# Altium PCB PCB.PcbDoc
Units mil, origin at the board's own origin, x right, y up, seen from the top; angles counter-clockwise.
Board outline 2755.91 x 2755.91 mil, 2 copper layers (Top Layer, Bottom Layer); 94 components, 90 nets, 395 pads, 112 vias.
Unrouted connection lines stored in the file: 2.
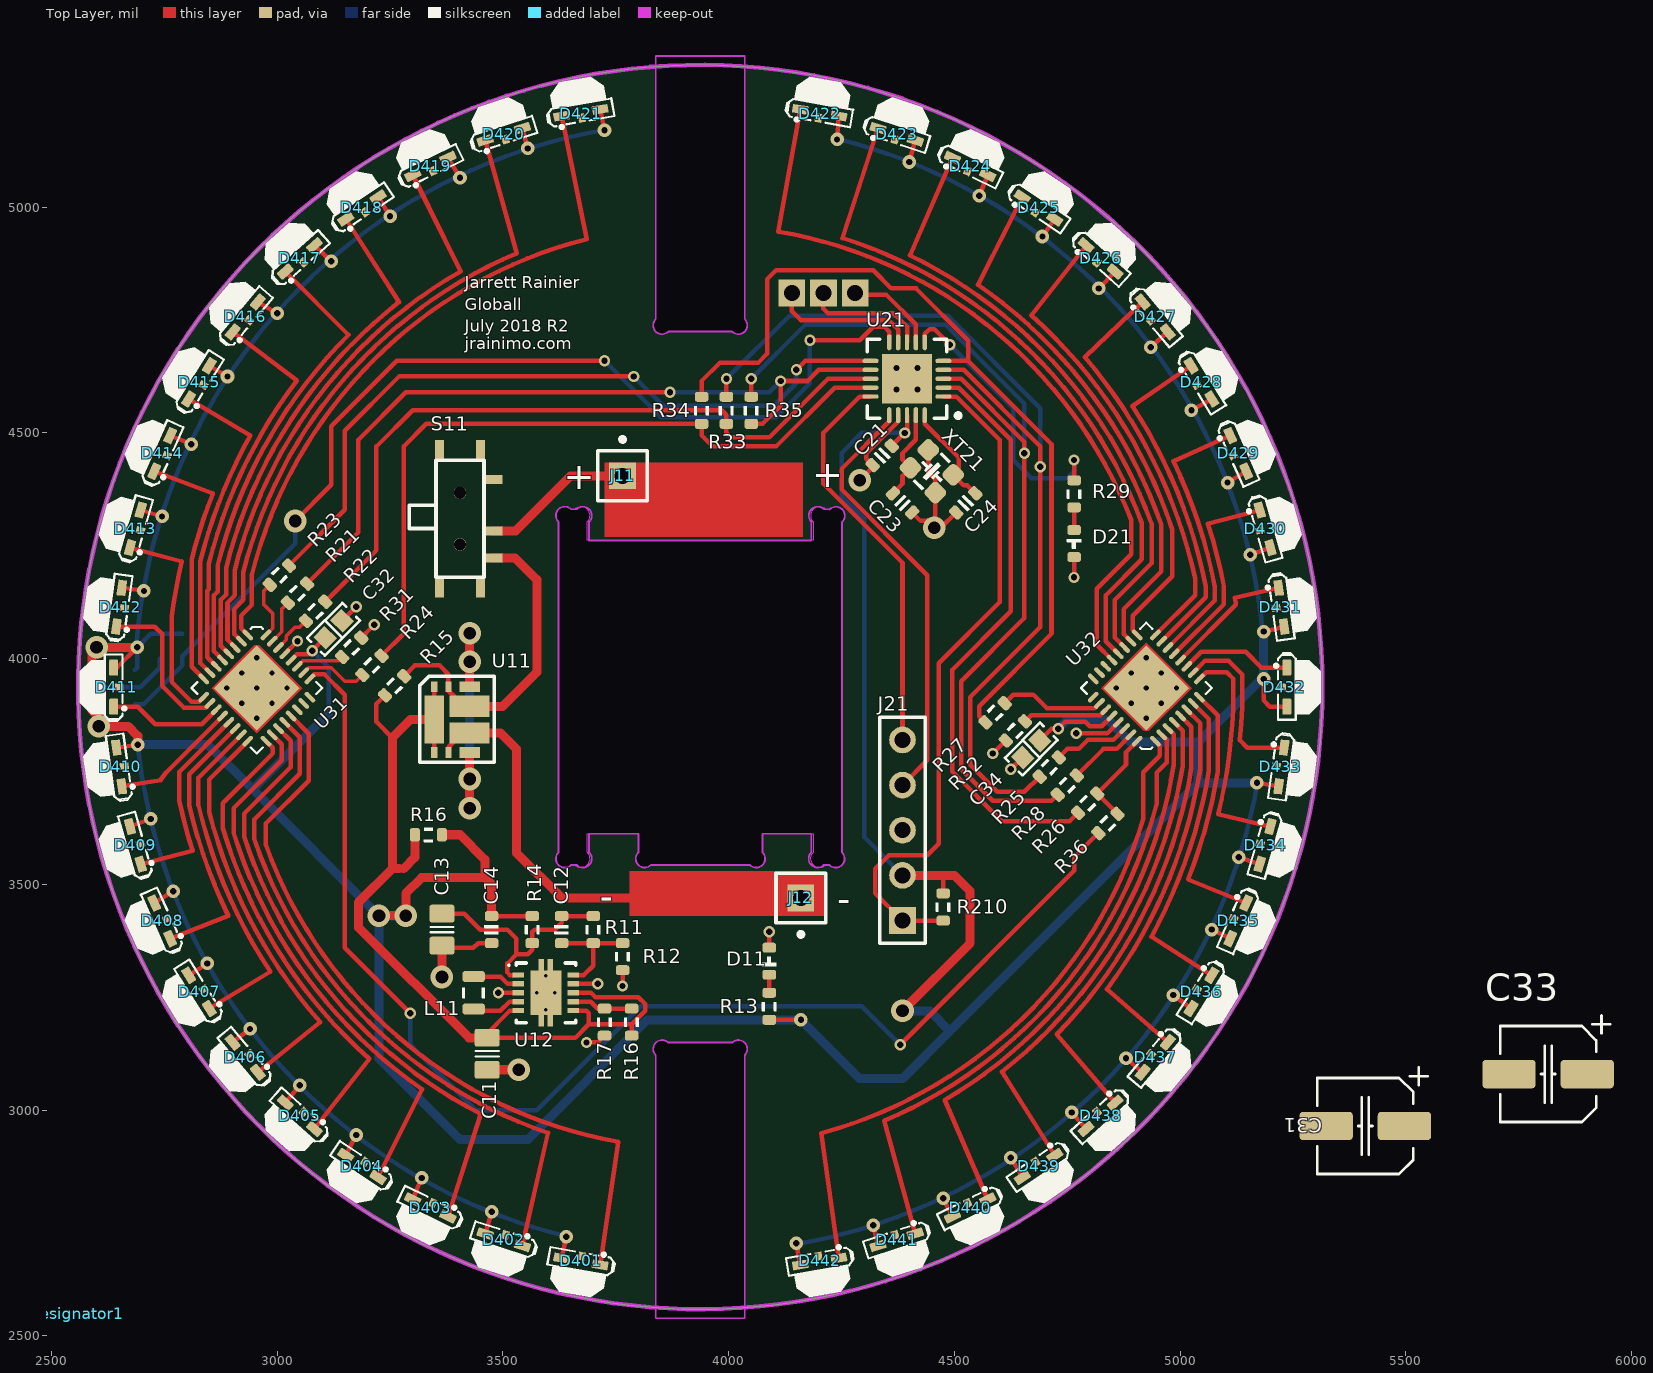
[diagram p0: Top Layer view]
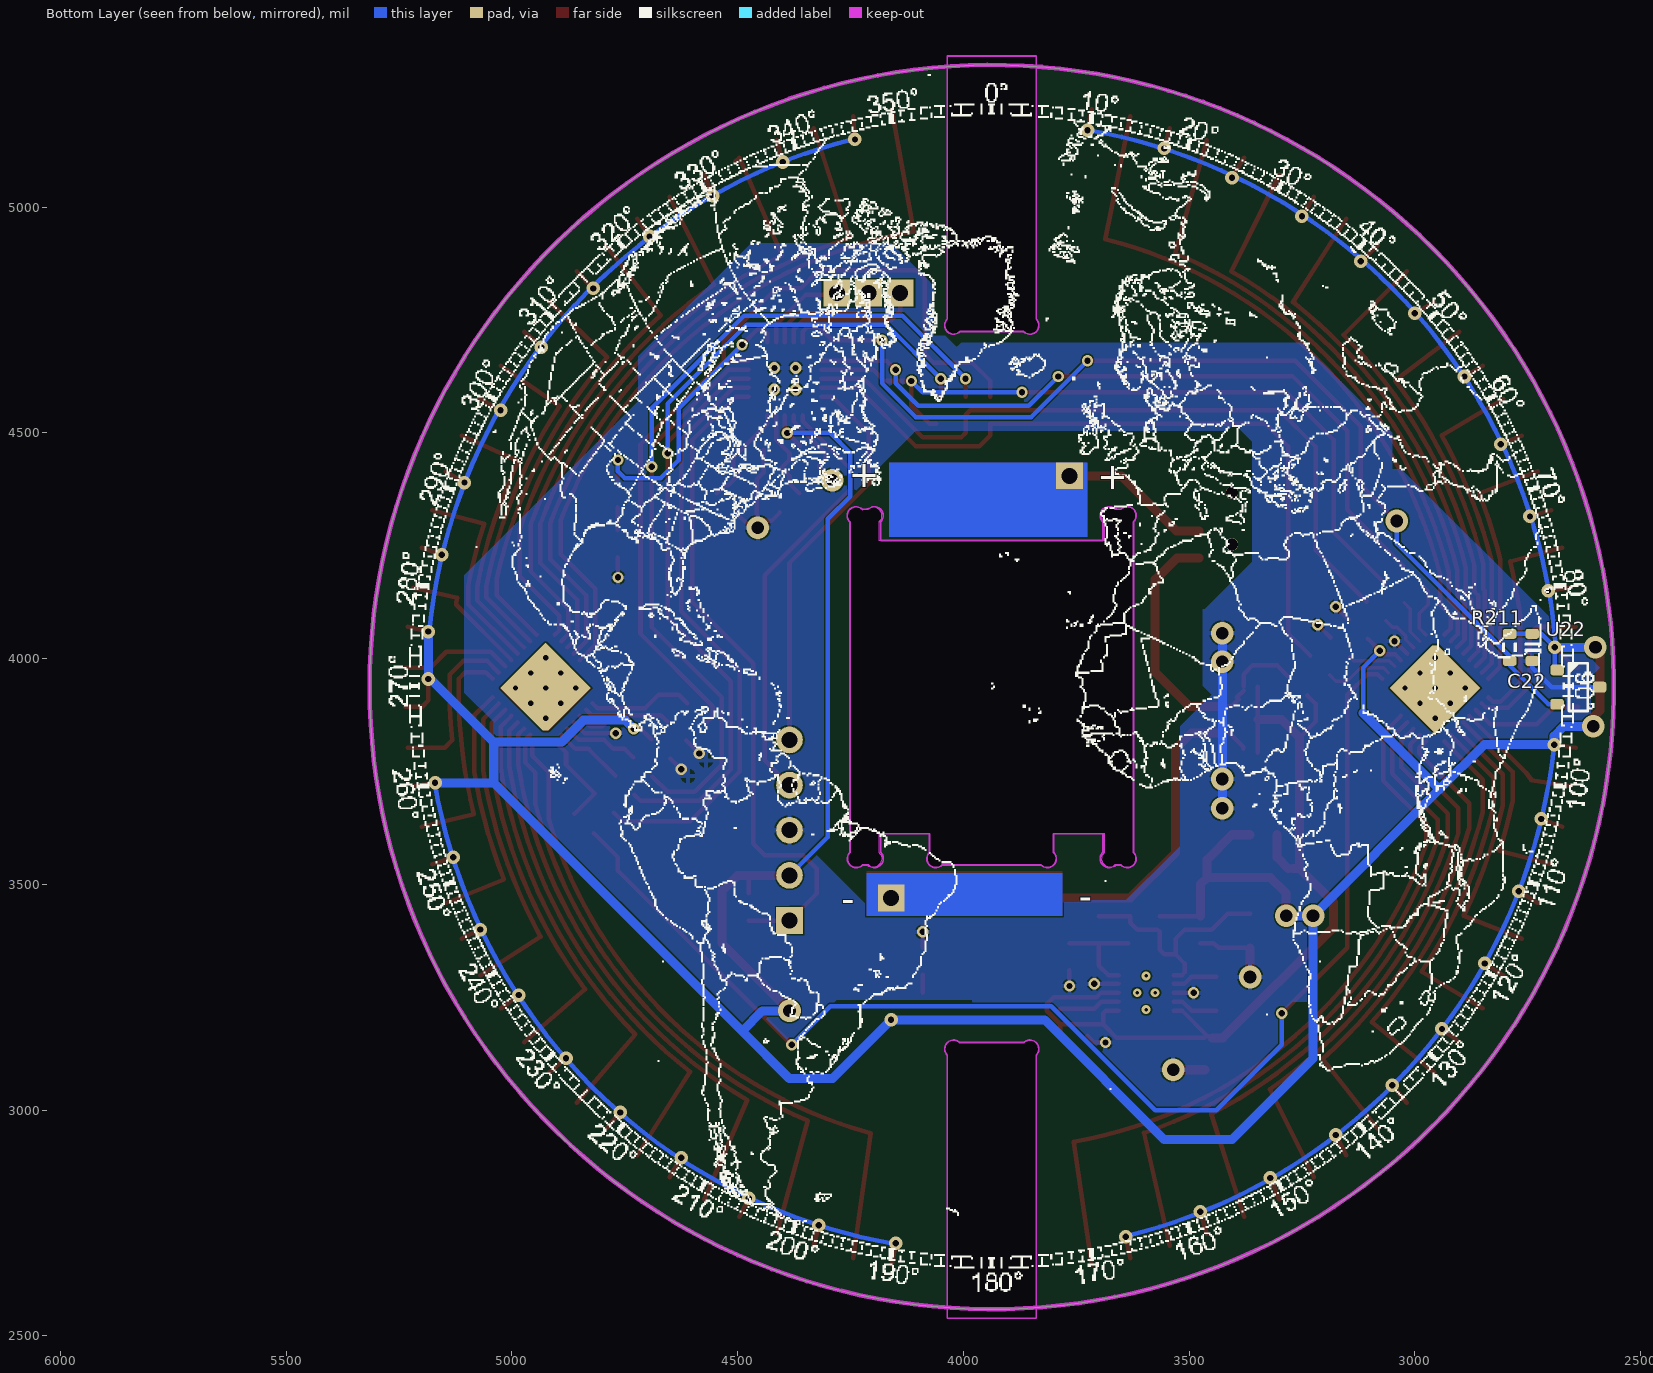
[diagram p1: Bottom Layer view, seen from below]
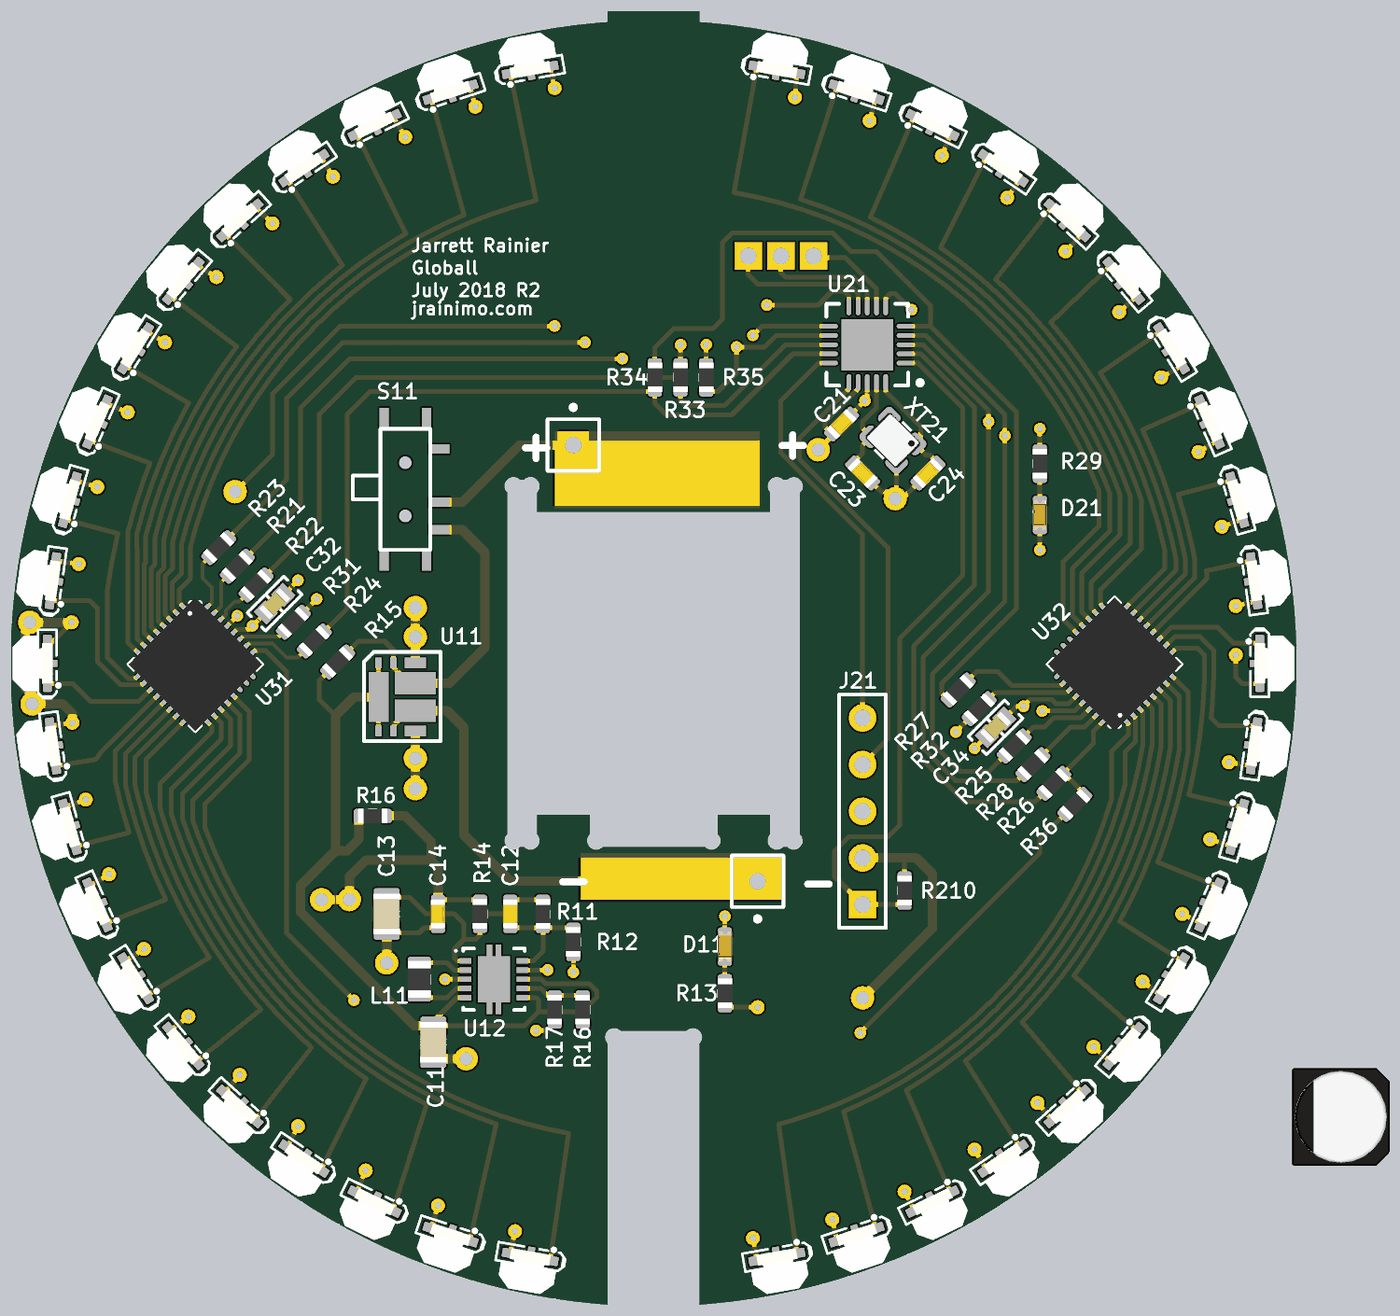
[diagram p2: 3D render of the assembled board from above, using the file's embedded part models]
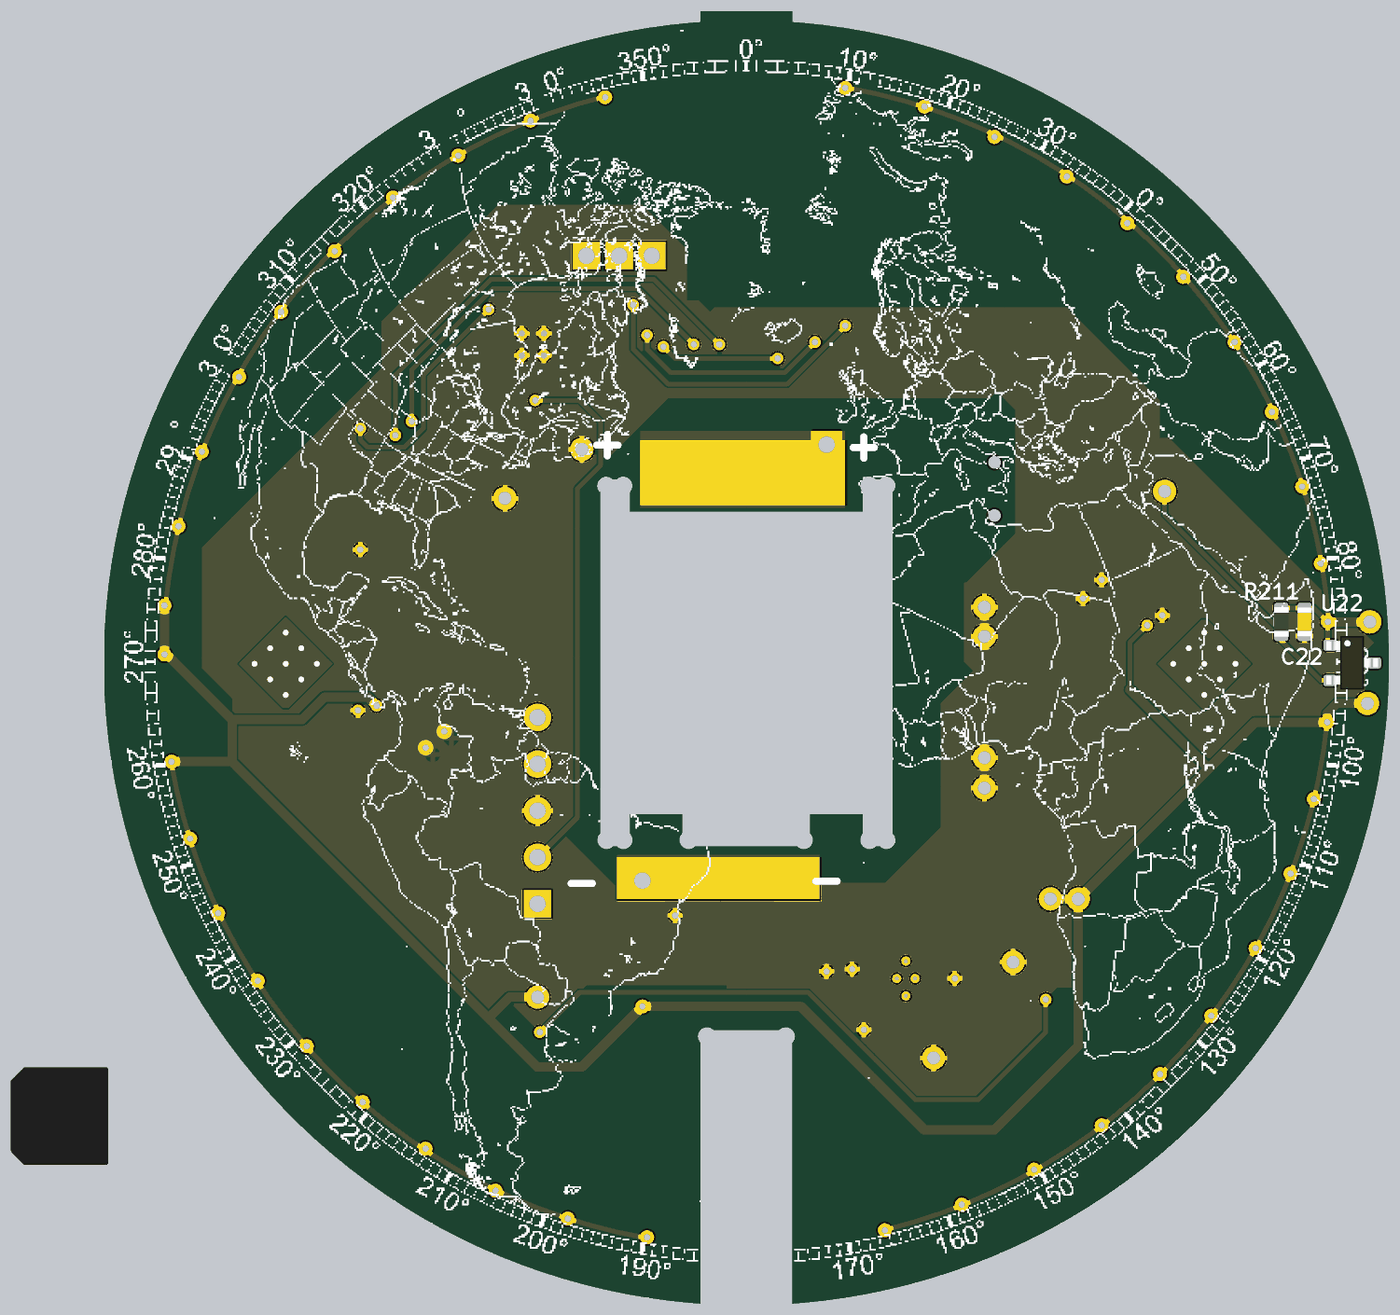
[diagram p3: 3D render of the assembled board from below, using the file's embedded part models]

## Layer stack, top to bottom
Top Layer: signal copper 1.4
Dielectric: dielectric 12.6, FR-4, Dk 4.8
Bottom Layer: signal copper 1.4

## Board outline
3937.01,2559.06 cw(c3937.01,3937.01) 2559.06,3937.01 cw(c3937.01,3937.01) 3937.01,5314.96 cw(c3937.01,3937.01) 5314.96,3937.01 cw(c3937.01,3937.01)
cut-out: 3650.87,3543.31 3659.35,3543.31 3659.35,3543.13 ccw(c3673.27,3557.05) 3687.19,3570.97 3687.01,3570.97 3687.01,3612.2 3800,3612.2 3800,3570.97 ccw(c3813.92,3557.05) 3827.84,3543.13 3827.84,3543.31 4047.16,3543.31 4047.16,3543.13 ccw(c4061.08,3557.05) 4075,3570.97 4075,3612.2 4187.01,3612.2 4187.01,3570.97 4186.83,3570.97 ccw(c4200.75,3557.05) 4214.67,3543.13 4214.67,3543.31 4223.15,3543.31 4223.15,3543.13 ccw(c4237.06,3557.05) 4250.98,3570.97 4250.98,4303.17 4251.4,4302.75 ccw(c4237.48,4316.67) 4223.56,4330.59 4223.44,4330.71 4215,4330.71 ccw(c4201.08,4316.79) 4187.16,4302.87 4187.01,4302.72 4187.01,4261.81 3687.01,4261.81 3687.01,4303.03 3687.15,4303.03 ccw(c3673.23,4316.95) 3659.32,4330.87 3650.87,4330.87 ccw(c3636.95,4316.95) 3623.03,4303.03 3623.03,3570.97 ccw(c3636.95,3557.05)
cut-out: 3838.58,2539.37 4035.43,2539.37 4035.43,3121.75 4035.42,3121.75 ccw(c4021.5,3135.67) 4007.58,3149.59 4007.6,3149.61 3866.42,3149.61 3866.44,3149.6 ccw(c3852.52,3135.68) 3838.6,3121.77 3838.58,3121.77
cut-out: 3866.44,4724.41 cw(c3852.52,4738.33) 3838.6,4752.25 3838.58,4752.26 3838.58,5334.65 4035.43,5334.65 4035.43,4752.26 4035.42,4752.25 cw(c4021.5,4738.33) 4007.58,4724.41 4007.56,4724.41

## Design rules (kind name [scope] priority, off if disabled: settings)
Clearance [All] p1: gap=3.5
MinimumSolderMaskSliver [All] p1: minsoldermaskwidth=3
PolygonConnect [All] p1: connectstyle=Relief reliefconductorwidth=10 reliefentries=4 polygonreliefangle="90 Angle"
RoutingVias [All] p1: holewidth=28 width=50 viastyle="Through Hole" minholewidth=14 minwidth=25 maxholewidth=28 maxwidth=50
SilkToSilkClearance [All] p1: silktosilkclearance=6
SilkscreenOverComponentPads [All] p1: minsilkscreentomaskgap=6
SolderMaskExpansion [All] p1: expansion=4
Width [All] p1: maxlimit=20 minlimit=6 preferedwidth=10
25 further rules are at their usual default settings.

## Classes and differential pairs
component class "3 - Drivers": C31 C32 C33 C34 R31 R32 R33 R34 R35 R36 U31 U32
component class "2 - Control": C21 C22 C23 C24 D21 J21 R21 R22 R23 R24 R25 R26 R27 R28 R29 R210 R211 U21 U22 XT21
component class "4 - Output": D401 D402 D403 D404 D405 D406 D407 D408 D409 D410 D411 D412 D413 D414 D415 D416 D417 D418 D419 D420 D421 D422 D423 D424 D425 D426 D427 D428 D429 D430 D431 D432 D433 D434 D435 D436 D437 D438 D439 D440 D441 D442
component class "1 - Power": C11 C12 C13 C14 D11 J11 J12 L11 R11 R12 R13 R14 R15 R16 R17 S11 U11 U12

## Components (designator, comment, footprint, x,y, rotation, side; value= is the part's Value field where it differs from the comment)
C11 "Cap_0603" CAPC2012X135N 3465,3125 r90 top
C12 "Cap_0603" CAP_0603 3630,3400 r90 top
C13 "Cap_0603" CAPC2012X135N 3365,3400 r90 top
C14 "Cap_0603" CAP_0603 3475,3400 r90 top
C21 "Cap_0603" CAP_0603 4340,4450 r45 top
C22 "Cap_0603" CAP_0603 2740,4025 r90 bottom
C23 "Cap_0603" CAP_0603 4385,4345 r135 top
C24 "Cap_0603" CAP_0603 4525,4345 r45 top
C31 "10uF" CAP_ELEC_5x5.7 5410,2965 r0 top
C32 "Cap_0603" "CAP 0603/1608" 3125,4065 r225 top
C33 "10uF" CAP_ELEC_5x5.7 5815,3080 r0 top
C34 "Cap_0603" "CAP 0603/1608" 4670,3800 r45 top
D11 "LED_0603" LED_0603_RED 4090,3330 r90 top
D21 "LED_0603" LED_0603_RED 4765,4255 r270 top
D401 "Green" LED-0805S-SIDELED-2.1X0.6X1.0 3672.68,2664.96 r170 top
D402 "Green" LED-0805S-SIDELED-2.1X0.6X1.0 3501.93,2712.8 r162 top
D403 "Green" LED-0805S-SIDELED-2.1X0.6X1.0 3339.29,2783.46 r154 top
D404 "Green" LED-0805S-SIDELED-2.1X0.6X1.0 3187.8,2875.59 r146 top
D405 "Green" LED-0805S-SIDELED-2.1X0.6X1.0 3050.24,2987.48 r138 top
D406 "Green" LED-0805S-SIDELED-2.1X0.6X1.0 2929.21,3117.09 r130 top
D407 "Green" LED-0805S-SIDELED-2.1X0.6X1.0 2826.93,3261.97 r122 top
D408 "Green" LED-0805S-SIDELED-2.1X0.6X1.0 2745.35,3419.41 r114 top
D409 "Green" LED-0805S-SIDELED-2.1X0.6X1.0 2685.98,3586.5 r106 top
D410 "Green" LED-0805S-SIDELED-2.1X0.6X1.0 2649.88,3760.12 r98 top
D411 "Green" LED-0805S-SIDELED-2.1X0.6X1.0 2637.8,3937.01 r90 top
D412 "Green" LED-0805S-SIDELED-2.1X0.6X1.0 2649.88,4113.94 r82 top
D413 "Green" LED-0805S-SIDELED-2.1X0.6X1.0 2685.98,4287.52 r74 top
D414 "Green" LED-0805S-SIDELED-2.1X0.6X1.0 2745.35,4454.61 r66 top
D415 "Green" LED-0805S-SIDELED-2.1X0.6X1.0 2826.93,4612.05 r58 top
D416 "Green" LED-0805S-SIDELED-2.1X0.6X1.0 2929.21,4756.93 r50 top
D417 "Green" LED-0805S-SIDELED-2.1X0.6X1.0 3050.24,4886.54 r42 top
D418 "Green" LED-0805S-SIDELED-2.1X0.6X1.0 3187.8,4998.43 r34 top
D419 "Green" LED-0805S-SIDELED-2.1X0.6X1.0 3339.29,5090.55 r26 top
D420 "Green" LED-0805S-SIDELED-2.1X0.6X1.0 3501.93,5161.22 r18 top
D421 "Green" LED-0805S-SIDELED-2.1X0.6X1.0 3672.68,5209.06 r10 top
D422 "Blue" LED-0805S-SIDELED-2.1X0.6X1.0 4201.34,5209.06 r350 top
D423 "Blue" LED-0805S-SIDELED-2.1X0.6X1.0 4372.09,5161.22 r342 top
D424 "Blue" LED-0805S-SIDELED-2.1X0.6X1.0 4534.72,5090.55 r334 top
D425 "Blue" LED-0805S-SIDELED-2.1X0.6X1.0 4686.22,4998.43 r326 top
D426 "Blue" LED-0805S-SIDELED-2.1X0.6X1.0 4823.78,4886.54 r318 top
D427 "Blue" LED-0805S-SIDELED-2.1X0.6X1.0 4944.8,4756.93 r310 top
D428 "Blue" LED-0805S-SIDELED-2.1X0.6X1.0 5047.09,4612.05 r302 top
D429 "Blue" LED-0805S-SIDELED-2.1X0.6X1.0 5128.66,4454.61 r294 top
D430 "Blue" LED-0805S-SIDELED-2.1X0.6X1.0 5188.03,4287.52 r286 top
D431 "Blue" LED-0805S-SIDELED-2.1X0.6X1.0 5224.13,4113.94 r278 top
D432 "Blue" LED-0805S-SIDELED-2.1X0.6X1.0 5236.22,3937.01 r270 top
D433 "Blue" LED-0805S-SIDELED-2.1X0.6X1.0 5224.13,3760.12 r262 top
D434 "Blue" LED-0805S-SIDELED-2.1X0.6X1.0 5188.03,3586.5 r254 top
D435 "Blue" LED-0805S-SIDELED-2.1X0.6X1.0 5128.66,3419.41 r246 top
D436 "Blue" LED-0805S-SIDELED-2.1X0.6X1.0 5047.09,3261.97 r238 top
D437 "Blue" LED-0805S-SIDELED-2.1X0.6X1.0 4944.8,3117.09 r230 top
D438 "Blue" LED-0805S-SIDELED-2.1X0.6X1.0 4823.78,2987.48 r222 top
D439 "Blue" LED-0805S-SIDELED-2.1X0.6X1.0 4686.22,2875.59 r214 top
D440 "Blue" LED-0805S-SIDELED-2.1X0.6X1.0 4534.72,2783.46 r206 top
D441 "Blue" LED-0805S-SIDELED-2.1X0.6X1.0 4372.09,2712.8 r198 top
D442 "Blue" LED-0805S-SIDELED-2.1X0.6X1.0 4201.34,2664.96 r190 top
Designator1 "Comment" ? 2555,2550 r0 top
J11 "PWR" PIN1 3765,4405 r0 top
J12 "GND" PIN1 4160,3470 r180 top
J21 "Header 5" HDR1X5 4385,3420 r90 top
L11 "Inductor" RES_0805 3435,3260 r90 top
R11 "Res1" RES_0603 3700,3400 r90 top
R12 "Res1" RES_0603 3765,3340 r90 top
R13 "Res1" RES_0603 4090,3230 r270 top
R14 "Res1" RES_0603 3565,3400 r270 top
R15 "Res1" RES_0603 3260,3940 r45 top
R16 "Res1" RES_0603 3335,3610 r180 top
R16 "Res1" RES_0603 3785,3195 r270 top
R17 "Res1" RES_0603 3725,3195 r90 top
R21 "Res1" RES_0603 3045,4145 r225 top
R22 "Res1" RES_0603 3085,4105 r225 top
R23 "Res1" RES_0603 3005,4185 r225 top
R24 "Res1" RES_0603 3210,3985 r225 top
R25 "Res1" RES_0603 4710,3760 r45 top
R26 "Res1" RES_0603 4795,3680 r45 top
R27 "Res1" RES_0603 4590,3880 r45 top
R28 "Res1" RES_0603 4750,3720 r45 top
R29 "Res1" RES_0603 4765,4365 r90 top
R31 "Res1" RES_0603 3165,4025 r225 top
R32 "Res1" RES_0603 4635,3840 r45 top
R33 "Res1" RES_0603 3995,4550 r270 top
R34 "Res1" RES_0603 3940,4550 r270 top
R35 "Res1" RES_0603 4050,4550 r270 top
R36 "Res1" RES_0603 4840,3635 r225 top
R210 "Res1" RES_0603 4475,3450 r90 top
R211 "Res1" RES_0603 2790,4025 r90 bottom
S11 "SW-SPDT" MSK-12C02 3405,4310 r0 top
U11 "DFBR030U3LP" U-DFN4040-8 3395,3865 r0 top
U12 "TPS63001DRCR" 10-VSON 3595,3260 r0 top
U21 "PIC16F1619-I/ML" QFN-ML20_M 4395,4620 r180 top
U22 "APS12205" SOT23-3 2637.8,3937.01 r180 bottom
U31 "TLC5947" QFN50P500X500X100-33N 2955,3935 r315 top
U32 "TLC5947" QFN50P500X500X100-33N 4925,3935 r135 top
XT21 "XTAL_2520_4P" XT_2520_4 4450,4415 r135 top
